# Altium PCB SI942C.PcbDoc (part 2 of 3)
Units mm, origin at the board's own origin, x right, y up, seen from the top; angles counter-clockwise.
Board outline 281.94 x 89 mm, 4 copper layers (Top, MidLayer1, MidLayer2, Bottom), stack 1.65 mm thick; 305 components, 164 nets, 851 pads, 594 vias.
Unrouted connection lines stored in the file: 4.
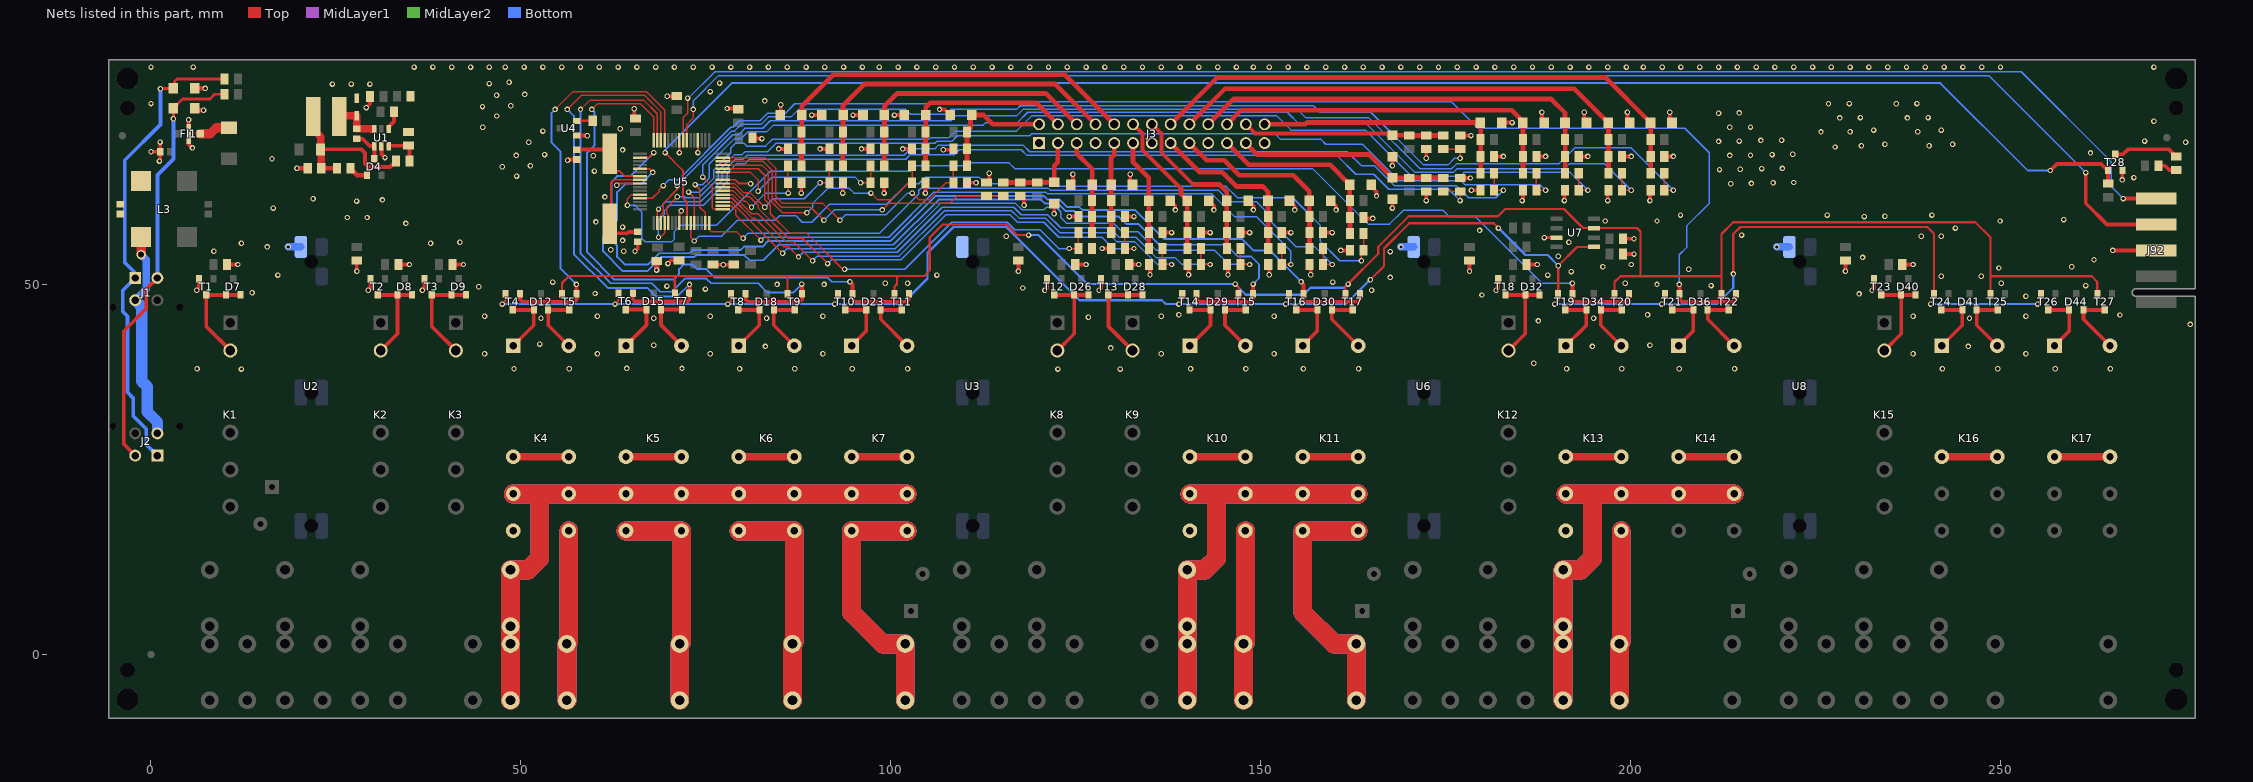
[diagram p4: the nets of this part, all layers, seen from the top]

## Via types
v1: diameter 0.737, hole 0.432, Top to Bottom, 581 vias
v2: diameter 1.27, hole 0.8, Top to Bottom, 10 vias
v3: diameter 1.524, hole 0.8, Top to Bottom, 3 vias

## Nets (pads, with @x,y where several pads share a name; then routed paths per layer and width w, separated by ;. In a path a pad name is that pad's centre, name@x,y a point inside that pad or via, vN(x,y) a via of type N, cw(c..) or ccw(c..) an arc to the next point about the centre after c; other vN are vias at no path point) (continued)
GND: C1.2 C2.1 C4.1 C5.2 C6.1 C7.1 C8.1 C9.1 C10.1 C11.1 C12.1 C13.1 C14.1 C15.1 C16.1 C17.2 C18.1 C19.1 C20.2 C21.1 C22.1 C23.1 C24.1 C25.1 C26.1 C27.1 C28.1 C29.1 C30.1 C31.2 C32.1 C33.1 C34.1 C35.1 C36.1 C37.2 C38.1 C39.1 C40.2 C41.1 C42.1 D1.A D2.A D6.A D10.A D11.A D13.A D14.A D16.A D17.A D19.A D20.A D21.A D22.A D24.A D25.A D27.A D31.A D33.A D35.A D37.A D38.A D39.A D42.A D43.A FI1.2 J3.1 J3.7 J3.13 J3.19 J3.25 J92.3 L3.4 pad.EndPad pad.StartPad R4.1 R6.1 R7.1 R8.1 R12.1 R14.1 R18.1 R20.1 R24.1 R26.1 R29.1 R32.1 R36.1 R38.1 R41.1 R44.1 R45.1 R47.1 R49.1 R54.1 R58.1 R60.1 R63.1 R66.1 R69.1 R72.1 R74.1 R76.1 R79.1 R85.1 T1.2 T2.2 T3.2 T12.2 T13.2 T18.2 T23.2 T28.2 U1.2 U2.3UC U3.3UC U4.1 U5.9 U5.20 U5.25 U5.41 U5.56 U6.3UC U7.3 U8.3UC | length 172.1
  Top w0.254: v1(62.934,63.421) 63.16,63.648 U5.41@66.065,63.648 ; U5.56@71.415,58.298 71.415,59.714 v1(71.644,59.943) ; v1@71.415,67.825 U5.25@71.415,69.498 ; v1(73.915,67.817) U5.20@73.915,69.498 ; U5.9@77.265,64.148 78.981,64.148 79.502,63.627 v1(81.026,63.627)
  Top w0.381: v1(188.277,56.34) U7.3@189.928,56.34
  Top w0.5: v1(5.08,72.263) FI1.2@5.08,70.358 5.08,68.961 v1(5.588,68.453)
  Top w0.508: v1(0,67.945) C42.1@1.234,67.945 ; v1(1.143,66.675) 1.234,66.766 C42.1@1.234,67.945 ; v1(1.234,69.251) C42.1@1.234,67.945 ; v1(6.191,49.212) 6.486,49.508 T1.2@6.486,50.789 ; R6.1@10.281,52.705 v1(11.747,52.705) ; v1(27.819,51.791) C5.2@27.819,53.257 ; v1(29.083,73.914) 29.597,74.428 C1.2@29.597,75.406 ; v1(29.369,49.212) 29.664,49.508 T2.2@29.664,50.789 ; U1.2@31.147,68.699 31.147,67.627 v1(31.623,67.151) ; R7.1@33.458,52.705 v1@34.766,52.705 ; v1(36.671,49.212) 36.966,49.508 T3.2@36.966,50.789 ; R8.1@40.761,52.705 v1(42.227,52.705) ; v1(56.294,66.801) 56.385,66.893 C25.1@57.564,66.893 ; U4.1@57.648,70.144 v1@58.666,70.144 ; C24.1@65.315,72.432 v1(65.315,73.74) ; v1(65.405,54.483) 65.791,54.869 C26.1@65.791,55.766 ; v1(69.756,75.437) C21.1@71.019,75.437 ; v1(69.85,52.832) 70.286,53.268 C28.1@71.347,53.268 ; C29.1@75.946,52.68 v1(77.343,52.68) C27.1@78.232,52.68 ; v1(77.851,73.787) 79.273,73.787 C23.1@79.375,73.685 ; C20.2@81.211,69.722 81.28,69.791 81.348,69.723 v1(82.55,69.723) ; v1(84.836,68.326) R24.1@86.081,68.326 ; D16.A@85.037,72.898 85.09,72.951 v1(85.09,74.295) ; v1(87.884,62.357) 87.884,63.729 C10.1@87.909,63.754 ; v1(89.281,72.898) D10.A@90.625,72.898 ; v1(90.424,68.326) R12.1@91.669,68.326 ; v1(93.472,62.357) 93.472,63.729 C6.1@93.497,63.754 ; v1(94.869,72.898) D22.A@96.213,72.898 ; v1(96.012,68.326) R38.1@97.257,68.326 ; v1(99.06,62.357) 99.06,63.729 C15.1@99.085,63.754 ; v1(100.457,72.898) D17.A@101.801,72.898 ; v1(101.6,68.326) R26.1@102.845,68.326 ; v1(104.648,62.357) 104.648,63.729 C11.1@104.673,63.754 ; v1(106.553,73.66) 107.262,73.66 D11.A@108.024,72.898 ; v1(107.061,68.199) 108.306,68.199 R14.1@108.433,68.326 ; C7.1@110.236,63.729 C7.1@110.261,63.754 v1(111.506,63.754) ; C9.1@112.878,63.754 C9.1@112.903,63.779 113.284,64.16 v1(113.284,65.024) ; v1(117.216,51.791) C17.2@117.216,53.257 ; R20.1@117.475,61.951 117.983,61.443 v1(117.983,60.706) ; v1(120.809,49.212) 121.104,49.507 T12.2@121.104,50.789 ; v1(122.047,59.563) D14.A@122.047,60.907 ; v1(124.079,59.182) R32.1@125.324,59.182 ; D20.A@124.28,63.5 124.587,63.807 v1(124.587,64.897) ; R45.1@124.898,52.705 v1@126.206,52.705 ; v1(128.111,49.212) 128.406,49.507 T13.2@128.406,50.789 ; v1(128.524,54.864) C8.1@129.769,54.864 C8.1@129.921,54.712 ; R18.1@131.597,59.182 v1(132.842,59.182) ; R47.1@132.201,52.705 v1(133.477,52.705) ; v1(132.334,64.897) 132.334,63.807 D13.A@132.641,63.5 ; C12.1@134.849,52.705 135.001,52.553 v1(135.001,51.308) ; R29.1@136.677,57.023 v1(137.922,57.023) ; D19.A@137.721,61.341 138.43,60.632 v1(138.43,60.071) ; C14.1@140.056,52.705 140.208,52.553 v1(140.208,51.308) ; R36.1@141.884,57.023 v1(143.129,57.023) ; D21.A@142.928,61.341 143.637,60.632 v1(143.637,60.071) ; C16.1@145.39,52.705 145.542,52.553 v1(145.542,51.308) ; R41.1@147.218,57.023 v1(148.463,57.023) ; D24.A@148.262,61.341 148.971,60.632 v1(148.971,60.071) ; C18.1@150.978,52.705 151.13,52.553 v1(151.13,51.308) ; R44.1@152.806,57.023 v1(154.051,57.023) ; D25.A@153.85,61.341 154.559,60.632 v1(154.559,60.071) ; C30.1@156.566,52.705 156.718,52.553 v1(156.718,51.308) ; R54.1@158.394,57.023 v1(159.639,57.023) ; D31.A@159.438,61.341 160.147,60.632 v1(160.147,60.071) ; v1(160.782,54.61) C34.1@162.027,54.61 ; R66.1@163.855,58.928 v1(165.1,58.928) ; D37.A@164.899,63.246 165.608,62.537 v1(165.608,61.976) ; v1(167.767,60.325) D39.A@167.767,61.542 ; v1(167.767,66.04) D42.A@167.767,67.257 ; v1(172.339,61.341) R72.1@172.339,62.586 ; v1(172.339,67.056) R76.1@172.339,68.301 ; C36.1@176.911,64.414 177.14,64.643 177.394,64.389 v1(178.308,64.389) ; C38.1@176.911,70.129 v1@178.283,70.129 ; v1(178.176,51.791) C31.2@178.176,53.257 ; v1(178.435,62.738) C39.1@179.68,62.738 ; R79.1@181.508,67.31 v1(182.753,67.31) ; v1(181.769,49.212) 182.064,49.507 T18.2@182.064,50.789 ; D43.A@182.552,71.882 v1(183.928,71.882) v1@183.896,71.882 ; v1(185.293,61.341) 185.395,61.443 C35.1@185.395,62.738 ; R58.1@185.858,52.705 v1@187.166,52.705 ; R69.1@187.223,67.31 v1(188.468,67.31) ; v1(187.96,73.279) 187.96,72.189 D38.A@188.267,71.882 ; v1(191.008,61.341) 191.008,62.636 C33.1@191.11,62.738 ; R63.1@192.938,67.31 v1(194.183,67.31) ; v1(193.675,73.279) 193.675,72.189 D35.A@193.982,71.882 ; v1(196.85,61.341) 196.85,62.636 C32.1@196.952,62.738 ; R60.1@198.78,67.31 v1(200.025,67.31) ; C41.1@198.939,54.118 v1(200.406,54.118) ; C40.2@198.939,56.182 v1(200.406,56.182) ; v1(199.517,73.279) 199.517,72.189 D33.A@199.824,71.882 ; v1(202.565,61.341) 202.565,62.636 C19.1@202.667,62.738 ; R49.1@204.495,67.31 v1(205.74,67.31) ; v1(205.232,73.279) 205.232,72.189 D27.A@205.539,71.882 ; v1(228.976,51.791) C37.2@228.976,53.257 ; v1(232.569,49.212) 232.864,49.507 T23.2@232.864,50.789 ; R74.1@236.658,52.705 v1@237.966,52.705 ; v1(265.113,54.61) J92.3@270.975,54.61 ; v1(266.382,64.135) 266.382,65.394 T28.2@266.405,65.416
  Top w0.635: D2.A@5.927,73.803 6.181,73.549 v1(7.112,73.549) ; D1.A@5.927,76.502 v1(7.334,76.502) ; v1(19.717,65.722) C4.1@21.184,65.722
  Top w0.762: v1(68.326,51.943) 68.345,51.962 C22.1@68.345,53.162
  Bottom w1.016: v1(18.554,55.086) 18.56,55.08 U2.3UC@20.26,55.08 ; v1(168.91,55.086) 168.916,55.08 U6.3UC@170.616,55.08 ; v1(219.71,55.086) 219.716,55.08 U8.3UC@221.416,55.08
  other v1: 12.224,38.576 122.555,38.576 130.969,38.576 6.223,38.624 49.054,38.621 56.515,38.621 79.534,38.621 86.995,38.621 94.774,38.621 102.235,38.621 140.494,38.621 147.955,38.621 155.734,38.621 163.195,38.621 191.294,38.621 198.755,38.621 206.534,38.621 213.995,38.621 242.094,38.621 249.555,38.621 257.334,38.621 264.795,38.621 64.294,38.666 71.755,38.666 186.849,39.37 45.085,40.64 60.325,40.64 75.565,40.64 90.805,40.64 136.525,40.64 151.765,40.64 238.125,40.64 253.365,40.64 129.699,41.434 83.026,41.637 194.786,41.637 245.586,41.637 67.945,41.796 202.565,41.796 52.546,41.955 275.59,44.609 187.484,45.085 52.705,45.447 67.945,45.447 83.185,45.447 194.945,45.447 245.745,45.447 126.682,45.561 45.085,45.72 60.325,45.72 75.565,45.72 90.805,45.72 136.525,45.72 151.765,45.72 238.125,45.72 253.365,45.72 266.065,45.879 138.906,45.924 202.247,45.924 253.365,48.419 179.864,48.578 230.822,48.736 60.008,48.781 13.652,48.895 164.941,49.212 74.93,49.371 117.792,49.53 44.291,49.689 69.723,49.784 210.82,49.847 261.461,49.847 84.614,50.006 90.964,50.006 203.517,50.006 99.219,50.165 102.235,50.165 199.231,50.165 250.031,50.165 54.292,50.324 159.702,50.324 167.481,50.959 241.935,51.117 247.332,51.117 17.145,51.276 106.204,51.276 188.754,51.276 191.929,51.752 207.804,52.07 249.714,52.229 196.215,52.387 259.556,52.387 34.925,52.705 126.365,52.705 187.325,52.705 200.025,52.705 238.125,52.705 262.572,53.34 231.299,53.657 190.182,53.816 167.481,54.451 8.509,54.483 63.881,54.483 62.14,54.69 15.716,55.086 12.224,55.562 37.782,55.562 41.751,55.721 191.611,55.721 63.727,55.96 115.57,56.515 239.236,56.515 241.935,56.515 214.947,56.674 179.546,57.309 243.84,57.626 63.727,57.757 34.449,58.261 60.121,58.449 196.532,58.579 203.517,58.579 249.873,58.579 258.496,58.776 26.511,59.055 29.21,59.055 231.521,59.182 234.315,59.214 206.692,59.372 226.536,59.372 240.665,59.372 16.51,60.325 27.781,61.277 31.274,61.436 21.907,61.595 61.346,61.834 213.487,63.627 216.281,63.659 219.202,63.754 221.996,63.786 267.97,64.453 49.403,64.643 59.917,65.326 211.963,65.532 214.757,65.564 217.678,65.659 220.472,65.691 47.466,65.913 51.276,66.04 16.351,66.992 59.759,67.39 49.371,67.437 213.36,67.437 216.154,67.469 53.181,67.564 219.075,67.564 221.869,67.596 262.096,67.786 71.407,67.817 63.727,68.184 227.584,68.58 231.14,68.739 240.284,68.739 234.315,68.961 243.459,68.961 51.054,69.215 274.955,69.215 211.836,69.342 214.63,69.374 269.399,69.374 217.551,69.469 220.345,69.501 58.961,70.103 178.383,70.129 225.679,70.612 229.616,70.644 238.76,70.644 52.959,70.739 232.791,70.866 241.935,70.866 63.41,71.041 44.831,71.247 213.36,71.247 216.154,71.279 270.669,72.072 228.219,72.517 237.363,72.517 231.013,72.549 240.157,72.549 46.736,72.771 211.836,73.152 214.63,73.184 44.799,74.041 48.609,74.168 226.695,74.422 235.839,74.422 0,74.454 229.489,74.454 238.633,74.454 82.931,74.803 46.704,75.565 50.514,75.692 75.565,76.073 24.511,77.089 27.051,77.089 29.591,77.089 45.72,77.153 76.835,77.216 48.387,77.343 0,79.375 5.715,79.375 35.56,79.375 38.1,79.375 40.64,79.375 43.18,79.375 45.72,79.375 47.879,79.375 50.419,79.375 52.959,79.375 55.499,79.375 58.039,79.375 60.579,79.375 63.119,79.375 65.659,79.375 68.199,79.375 70.739,79.375 73.279,79.375 75.819,79.375 78.359,79.375 80.899,79.375 83.439,79.375 85.979,79.375 88.519,79.375 91.059,79.375 93.599,79.375 96.139,79.375 98.425,79.375 100.965,79.375 103.505,79.375 106.045,79.375 108.585,79.375 111.125,79.375 113.665,79.375 116.205,79.375 118.745,79.375 121.285,79.375 123.825,79.375 126.365,79.375 128.905,79.375 131.445,79.375 133.985,79.375 136.525,79.375 139.065,79.375 141.605,79.375 144.145,79.375 146.685,79.375 148.971,79.375 151.13,79.375 153.67,79.375 156.21,79.375 158.75,79.375 161.29,79.375 163.83,79.375 166.37,79.375 168.91,79.375 171.45,79.375 173.99,79.375 176.53,79.375 179.07,79.375 181.61,79.375 184.15,79.375 186.69,79.375 189.23,79.375 191.77,79.375 194.31,79.375 196.85,79.375 199.39,79.375 201.676,79.375 204.216,79.375 206.756,79.375 209.296,79.375 211.836,79.375 214.376,79.375 216.916,79.375 219.456,79.375 221.996,79.375 224.536,79.375 227.076,79.375 229.616,79.375 232.156,79.375 234.696,79.375 237.236,79.375 239.776,79.375 242.316,79.375 244.856,79.375 247.396,79.375 249.936,79.375 270.669,79.375
GNDBUS: J1.3 J2.3 L3.3 R85.2 | length 28.7
  Top w1.27: v2(-1.332,54.04) L3.3@-1.332,56.388
  Bottom w1.016: J1.3@-2.135,47.88 -0.635,49.38 -0.635,53.343 v2(-1.332,54.04)
  Bottom w1.524: J1.3@-2.135,47.88 -1.245,46.99 -1.245,36.932 -0.508,36.195 -0.508,32.766 0.865,31.393 J2.3@0.865,29.88
ICSPCLK: J92.4 U5.23 | length 215.6
  Top w0.203: U5.23@72.415,69.498 72.415,71.628 73.279,72.492 v1(73.279,73.66)
  Top w0.508: v1@261.461,65.126 261.461,60.968 264.319,58.11 J92.4@270.975,58.11
  Bottom w0.203: v1(73.279,73.66) 73.279,74.803 76.708,78.232 248.361,78.232 v1(261.468,65.126)
ICSPDAT: J92.5 U5.24 | length 214.9
  Top w0.203: U5.24@71.915,69.498 71.915,72.55 72.517,73.152 v1(72.517,75.184)
  Top w0.508: v1(266.526,61.61) J92.5@270.975,61.61
  Bottom w0.203: v1(72.517,75.184) 72.644,75.184 76.2,78.74 252.73,78.74 264.922,66.548 264.922,63.214 v1(266.526,61.61)
IN0: D11.K J3.2 R10.1 R13.1 R14.2 | length 16.7
  Top w0.635: R13.1@110.261,66.04 R14.2@110.261,68.326 R10.1@110.261,70.612 110.744,71.095 110.744,72.718 D11.K@110.924,72.898 112.522,72.898 113.77,71.65 J3.2@120.015,71.65
IN0_UC: C7.2 R13.2 U5.15 | length 42
  Top w0.203: U5.15@77.265,67.148 82.966,67.148 84.455,65.659 84.455,61.849 85.344,60.96 90.805,60.96 v1(93.091,58.674) ; v1(102.87,62.357) 103.759,61.468 105.156,61.468 107.442,63.754 C7.2@108.433,63.754 R13.2@108.433,66.04
  Bottom w0.203: v1(93.091,58.674) 93.853,59.436 99.314,59.436 102.235,62.357 v1(102.87,62.357)
IN1: D14.K J3.3 R16.1 R19.1 R20.2 | length 12.4
  Top w0.635: R19.1@115.189,63.779 R20.2@117.475,63.779 R16.1@119.761,63.779 119.789,63.807 D14.K@122.047,63.807 122.047,66.04 122.555,66.548 J3.3@122.555,69.11
IN1_UC: C9.2 R19.2 U5.14 | length 44.7
  Top w0.203: U5.14@77.265,66.648 82.704,66.648 83.947,65.405 83.947,61.722 85.217,60.452 89.154,60.452 v1(90.932,58.674) ; v1(98.806,60.071) 99.695,60.96 107.95,60.96 108.941,61.951 C9.2@112.903,61.951 R19.2@115.189,61.951
  Bottom w0.203: v1(90.932,58.674) 92.329,60.071 v1(98.806,60.071)
IN2: D17.K J3.4 R22.1 R25.1 R26.2 | length 27.2
  Top w0.635: R25.1@104.673,66.04 R26.2@104.673,68.326 R22.1@104.673,70.612 104.701,70.64 D17.K@104.701,72.898 104.701,73.967 105.283,74.549 119.656,74.549 J3.4@122.555,71.65
IN2_UC: C11.2 R25.2 U5.13 | length 35.9
  Top w0.203: U5.13@77.265,66.148 82.569,66.148 83.439,65.278 83.439,61.595 85.344,59.69 v1(88.646,59.69) ; v1(97.282,62.357) 98.171,61.468 100.076,61.468 102.362,63.754 C11.2@102.845,63.754 R25.2@102.845,66.04
  Bottom w0.203: v1(88.646,59.69) 89.408,60.452 89.408,60.96 91.44,62.992 94.361,62.992 94.996,62.357 v1(97.282,62.357)
IN3: D20.K J3.5 R30.1 R31.1 R32.2 | length 13
  Top w0.635: J3.5@125.095,69.11 125.095,67.691 127.18,65.606 D20.K@127.18,63.5 127.18,61.369 R31.1@127.152,61.341 R32.2@127.152,59.182 R30.1@127.152,57.023
IN3_UC: C13.2 R30.2 U5.12 | length 62.5
  Top w0.203: U5.12@77.265,65.648 82.053,65.648 82.931,64.77 82.931,61.468 83.693,60.706 83.693,59.563 86.36,56.896 88.646,56.896 93.472,52.07 v1(93.726,52.07) ; v1(124.079,54.864) C13.2@125.324,54.864 R30.2@125.324,57.023
  Bottom w0.203: v1(93.726,52.07) 101.854,52.07 108.204,58.42 115.697,58.42 116.713,57.404 120.142,57.404 122.682,54.864 v1(124.079,54.864)
IN4: D22.K J3.6 R34.1 R37.1 R38.2 | length 36.5
  Top w0.635: R37.1@99.085,66.04 R38.2@99.085,68.326 R34.1@99.085,70.612 99.113,70.64 D22.K@99.113,72.898 99.113,74.094 100.838,75.819 120.926,75.819 J3.6@125.095,71.65
IN4_UC: C15.2 R37.2 U5.11 | length 25.3
  Top w0.203: U5.11@77.265,65.148 81.029,65.148 82.042,64.135 v1(82.042,62.611) ; v1(95.885,63.754) C15.2@97.257,63.754 R37.2@97.257,66.04
  Bottom w0.203: v1(82.042,62.611) 83.947,64.516 95.123,64.516 v1(95.885,63.754)
IN5: D10.K J3.8 R9.1 R11.1 R12.2 | length 45.7
  Top w0.635: R11.1@93.497,66.04 R12.2@93.497,68.326 R9.1@93.497,70.612 93.525,70.64 D10.K@93.525,72.898 93.525,74.221 96.393,77.089 122.196,77.089 J3.8@127.635,71.65
IN5_UC: C6.2 R11.2 U5.8 | length 19.4
  Top w0.203: U5.8@77.265,63.648 78.846,63.648 80.073,62.42 80.962,62.42 v1(82.931,60.452) ; v1(90.424,63.754) C6.2@91.669,63.754 R11.2@91.669,66.04
  Bottom w0.203: v1(82.931,60.452) 84.074,61.595 88.265,61.595 v1(90.424,63.754)
IN6: D13.K J3.9 R15.1 R17.1 R18.2 | length 12.3
  Top w0.635: R17.1@129.769,57.023 R18.2@129.769,59.182 R15.1@129.769,61.341 129.741,61.369 D13.K@129.741,63.5 129.741,67.13 130.175,67.564 J3.9@130.175,69.11
IN6_UC: C8.2 R17.2 U5.7 | length 68.1
  Top w0.203: U5.7@77.265,63.148 78.838,63.148 80.137,61.849 80.899,61.849 82.042,60.706 82.042,60.325 86.106,56.261 88.011,56.261 v1(91.44,52.832) ; R17.2@131.597,57.023 C8.2@131.597,54.864 v1(132.842,54.864)
  Bottom w0.203: v1(91.44,52.832) 91.948,53.34 101.346,53.34 107.442,59.436 116.078,59.436 117.094,58.42 120.65,58.42 122.682,56.388 128.524,56.388 130.048,54.864 v1(132.842,54.864)
IN7: D16.K J3.10 R21.1 R23.1 R24.2 | length 54.8
  Top w0.635: R23.1@87.909,66.04 R24.2@87.909,68.326 R21.1@87.909,70.612 87.937,70.64 D16.K@87.937,72.898 87.937,74.094 92.202,78.359 123.466,78.359 J3.10@130.175,71.65
IN7_UC: C10.2 R23.2 U5.6 | length 14.2
  Top w0.203: U5.6@77.265,62.648 78.703,62.648 80.073,61.277 80.328,61.277 v1(81.153,60.452) ; R23.2@86.081,66.04 C10.2@86.081,63.754 86.106,63.729 v1(86.106,62.357)
  Bottom w0.203: v1(81.153,60.452) 83.058,62.357 v1(86.106,62.357)
IN8: D19.K J3.11 R27.1 R28.1 R29.2 | length 15.1
  Top w0.635: J3.11@132.715,69.11 132.715,66.548 134.821,64.442 D19.K@134.821,61.341 134.821,59.21 R28.1@134.849,59.182 R29.2@134.849,57.023 R27.1@134.849,54.864
IN8_UC: C12.2 R27.2 U5.5 | length 73.5
  Top w0.203: U5.5@77.265,62.148 78.568,62.148 81.153,59.563 82.042,59.563 85.852,55.753 86.868,55.753 v1(89.408,53.213) ; R27.2@136.677,54.864 C12.2@136.677,52.705 v1(137.922,52.705)
  Bottom w0.203: v1(89.408,53.213) 90.043,53.848 101.092,53.848 107.188,59.944 116.332,59.944 117.348,58.928 120.904,58.928 122.809,57.023 129.286,57.023 130.556,55.753 132.969,55.753 136.017,52.705 v1(137.922,52.705)
IN9: D21.K J3.12 R33.1 R35.1 R36.2 | length 19.8
  Top w0.535: J3.12@132.715,71.65 133.985,70.38 133.985,68.199 139.192,62.992
  Top w0.635: 139.192,62.992 139.192,62.177 D21.K@140.028,61.341 140.028,59.21 R33.1@140.056,59.182 R36.2@140.056,57.023 R35.1@140.056,54.864
IN9_UC: C14.2 R35.2 U5.4 | length 78.5
  Top w0.203: U5.4@77.265,61.648 78.56,61.648 81.28,58.928 81.661,58.928 85.471,55.118 86.106,55.118 v1(87.503,53.721) ; R35.2@141.884,54.864 C14.2@141.884,52.705 v1(143.129,52.705)
  Bottom w0.203: v1(87.503,53.721) 88.138,54.356 100.838,54.356 106.934,60.452 116.586,60.452 117.602,59.436 121.158,59.436 122.936,57.658 129.54,57.658 130.81,56.388 133.096,56.388 135.89,53.594 138.43,53.594 139.319,52.705 v1(143.129,52.705)
IN10: D24.K J3.14 R39.1 R40.1 R41.2 | length 23.1
  Top w0.535: J3.14@135.255,71.65 136.525,70.38 136.525,67.818 140.843,63.5
  Top w0.635: 140.843,63.5 144.399,63.5 145.362,62.537 D24.K@145.362,61.341 145.362,59.21 R39.1@145.39,59.182 R41.2@145.39,57.023 R40.1@145.39,54.864
IN10_UC: C16.2 R40.2 U5.3 | length 84.4
  Top w0.203: U5.3@77.265,61.148 78.425,61.148 v1(85.344,54.229) ; R40.2@147.218,54.864 C16.2@147.218,52.705 v1(148.463,52.705)
  Bottom w0.203: v1(85.344,54.229) 85.979,54.864 100.584,54.864 106.68,60.96 116.84,60.96 117.729,60.071 120.65,60.071 121.031,60.452 122.301,60.452 122.936,59.817 122.936,59.055 123.698,58.293 130.048,58.293 131.191,57.15 133.35,57.15 135.89,54.61 143.764,54.61 145.669,52.705 v1(148.463,52.705)
IN11: D25.K J3.15 R42.1 R43.1 R44.2 | length 23.6
  Top w0.635: J3.15@137.795,69.11 141.754,65.151 144.78,65.151 146.685,63.246 150.241,63.246 150.95,62.537 D25.K@150.95,61.341 150.95,59.21 R43.1@150.978,59.182 R44.2@150.978,57.023 R42.1@150.978,54.864
IN11_UC: C18.2 R42.2 U5.2 | length 90.3
  Top w0.203: U5.2@77.265,60.648 78.417,60.648 78.994,60.071 78.994,59.436 v1(82.423,56.007) ; R42.2@152.806,54.864 C18.2@152.806,52.705 v1(154.051,52.705)
  Bottom w0.203: v1(82.423,56.007) 82.804,56.388 99.695,56.388 105.791,62.484 120.904,62.484 121.158,62.23 143.383,62.23 146.431,59.182 149.352,59.182 154.051,54.483 v1(154.051,52.705)
IN12: D27.K J3.16 R46.1 R48.1 R49.2 | length 76.8
  Top w0.635: J3.16@137.795,71.65 144.123,77.978 196.543,77.978 D27.K@202.639,71.882 ; R48.1@202.667,65.024 R49.2@202.667,67.31 R46.1@202.667,69.596 D27.K@202.667,71.854
IN12_UC: C19.2 R48.2 U5.1 | length 152.5
  Top w0.203: v1(74.549,64.516) 75.819,63.246 75.819,60.452 76.123,60.148 U5.1@77.265,60.148 ; R48.2@204.495,65.024 C19.2@204.495,62.738 v1(205.74,62.738)
  Bottom w0.203: v1(74.549,64.516) 74.549,66.167 78.613,70.231 79.375,70.231 80.264,71.12 82.677,71.12 83.693,72.136 108.077,72.136 108.712,72.771 116.967,72.771 117.856,73.66 154.94,73.66 156.083,72.517 164.592,72.517 171.45,65.659 175.768,65.659 176.403,66.294 190.246,66.294 192.405,68.453 200.025,68.453 v1(205.74,62.738)
IN13: D31.K J3.17 R53.1 R54.2 R55.1 | length 26.7
  Top w0.635: J3.17@140.335,69.11 142.643,66.802 145.034,66.802 147.066,64.77 154.379,64.77 156.538,62.611 D31.K@156.538,61.341 156.538,59.21 R55.1@156.566,59.182 R54.2@156.566,57.023 R53.1@156.566,54.864
IN13_UC: C30.2 R53.2 U5.64 | length 96.8
  Top w0.203: U5.64@75.415,58.298 75.415,57.427 75.692,57.15 79.121,57.15 v1(80.01,56.261) ; R53.2@158.394,54.864 C30.2@158.394,52.705 v1(159.639,52.705)
  Bottom w0.203: v1(80.01,56.261) 80.645,56.896 98.425,56.896 103.759,62.23 103.759,62.738 104.013,62.992 121.285,62.992 121.539,62.738 144.272,62.738 145.859,61.151 149.415,61.151 150.495,60.071 150.495,59.309 154.686,55.118 157.226,55.118 v1(159.639,52.705)
IN14: D33.K J3.18 R59.1 R60.2 R61.1 | length 67.3
  Top w0.635: J3.18@140.335,71.65 145.139,76.454 192.352,76.454 D33.K@196.924,71.882 ; R59.1@196.952,65.024 R60.2@196.952,67.31 R61.1@196.952,69.596 D33.K@196.952,71.854
IN14_UC: C32.2 R59.2 U5.63 | length 146.3
  Top w0.203: v1(73.533,63.5) 74.168,62.865 74.168,60.437 74.915,59.69 U5.63@74.915,58.298 ; R59.2@198.78,65.024 C32.2@198.78,62.738 v1(200.025,62.738)
  Bottom w0.203: v1(73.533,63.5) 74.549,63.5 75.438,64.389 75.438,66.294 78.867,69.723 79.756,69.723 80.645,70.612 83.185,70.612 84.074,71.501 112.395,71.501 112.776,71.882 117.094,71.882 118.491,73.279 153.543,73.279 155.194,71.628 164.338,71.628 170.815,65.151 176.022,65.151 176.53,65.659 191.008,65.659 191.643,66.294 196.469,66.294 v1(200.025,62.738)